# KiCad board sensorboard.kicad_pcb (continued)
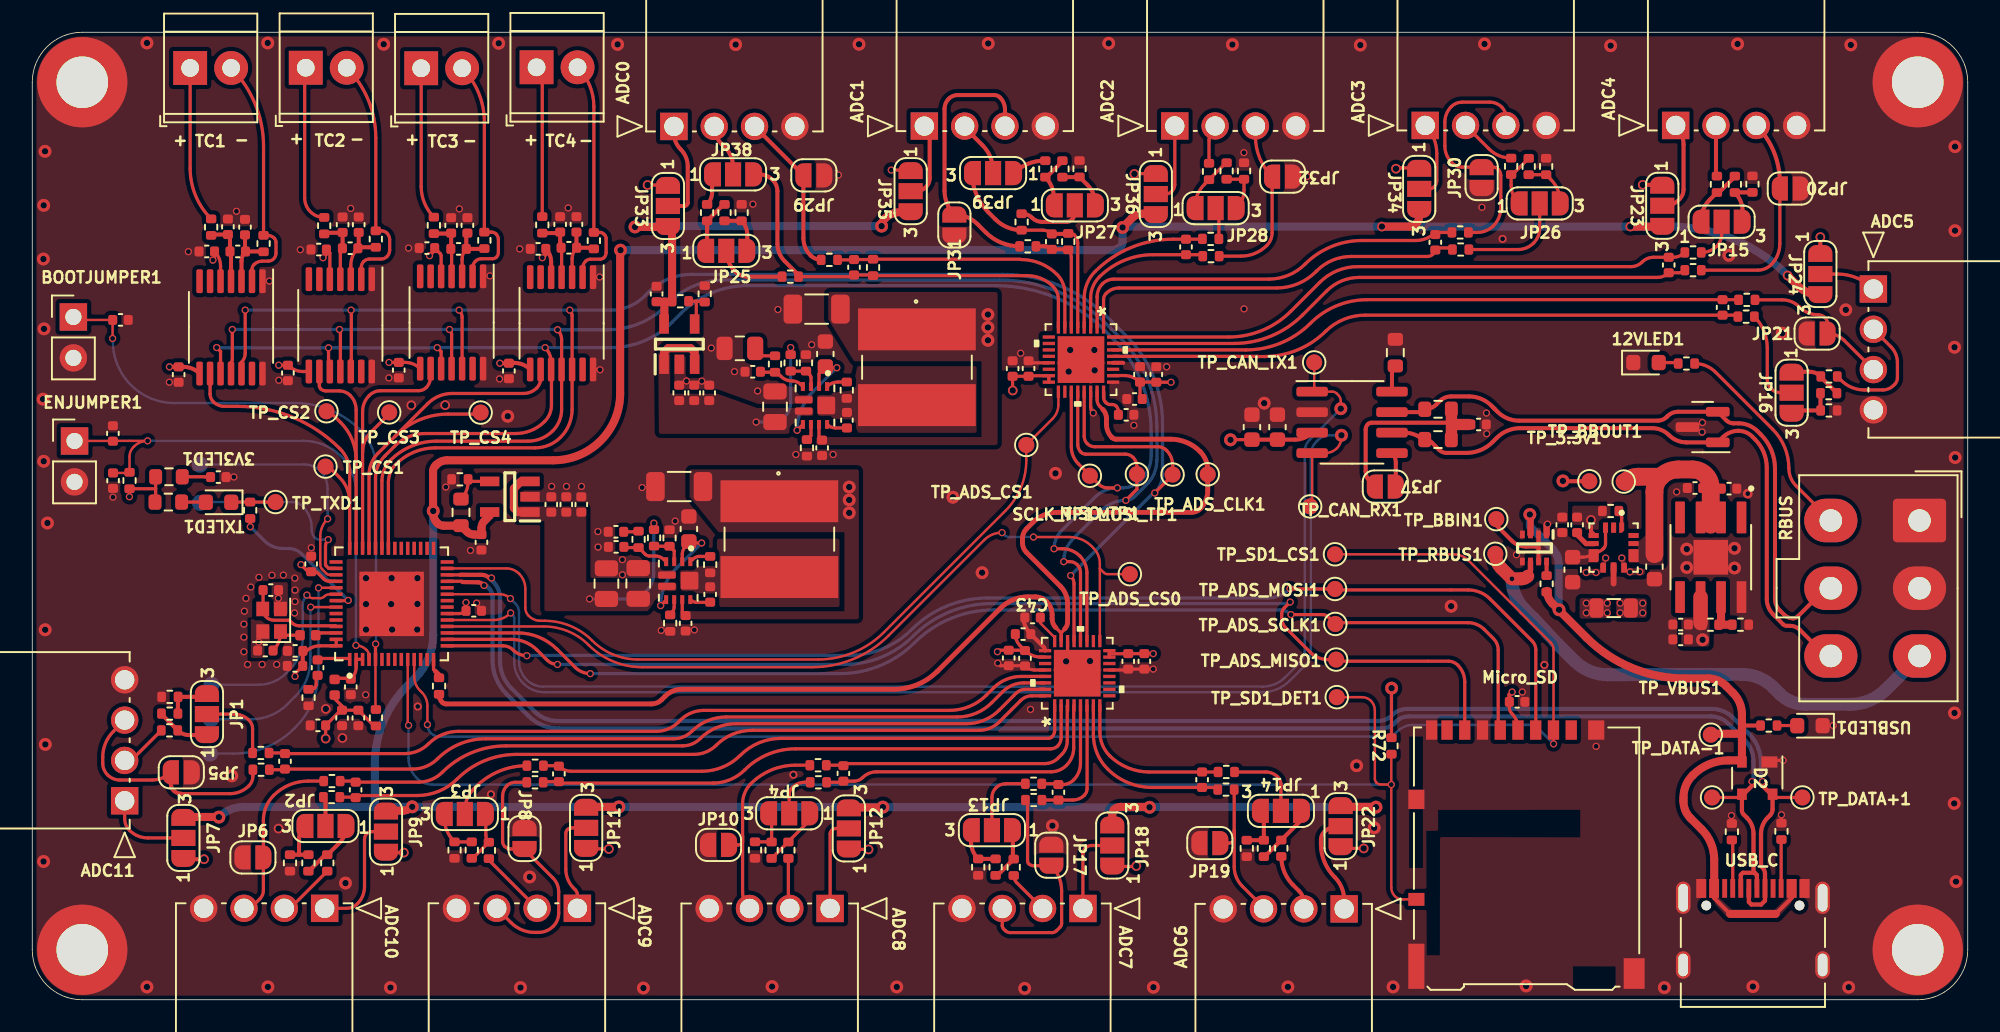
[diagram p0: board, top side]
## Routing (per net, layer and track width the routed paths; a pad name or vN(x,y) marks a point on that pad's centre or on a via; arc(x,y) is an arc through that point) (continued)
/ADS_CLK: length 74.7
  Top w0.2: 63.79,22.75 63.46,23.08 ; 63.79,22.75 64.01,23 ; 63.79,22.75 U9.23 ; 66.37,36.62 66.19,36.8 arc(66.06,36.98) 66.02,37.21 U10.23
  Top w0.299: R20.2 25.22,18.93 arc(25.27,18.67) 25.42,18.45 arc(25.53,18.37) 25.66,18.34 38.39,18.34 arc(38.73,18.41) 39.02,18.6 39.24,18.83 arc(39.72,19.14) 40.28,19.26 53.43,19.26 arc(54.88,19.54) 56.11,20.37 60.02,24.28 arc(60.81,24.8) 61.73,24.99 62.2,24.99 arc(62.56,24.91) 62.86,24.71 62.9,24.68 arc(63.14,24.31) 63.23,23.88 63.23,23.63 arc(63.29,23.33) 63.46,23.08 ; 64.01,23 arc(64.14,23.2) 64.19,23.43 64.19,24.57 arc(64.07,25.15) 63.75,25.64 61.64,27.75 arc(61.46,28.02) 61.39,28.34 61.39,28.61 arc(61.46,28.93) 61.65,29.21 62.03,29.6 arc(62.73,30.06) 63.55,30.23 71.88,30.23 arc(72.17,30.28) 72.41,30.45 arc(72.76,30.97) 72.88,31.58 TP_ADS_CLK1.1 72.88,32.85 arc(72.76,33.47) 72.4,34.01 arc(71.56,34.57) 70.57,34.77 67.18,34.77 arc(67.05,34.79) 66.94,34.87 66.94,34.87 arc(66.69,35.25) 66.6,35.69 66.6,36.06 arc(66.54,36.36) 66.37,36.62
/ADS_CS0: length 52
  Top w0.15: 66.19,26.74 U9.17 ; 66.19,26.74 66.45,26.48 arc(66.54,26.42) 66.66,26.4 TP_ADS_CS0.1 ; 66.19,26.74 66.19,27.06 arc(66.09,27.57) 65.79,28.01 65.67,28.14 arc(65.05,28.55) 64.32,28.7 v1(62.08,28.7) ; 25.72,23.15 31.71,23.15 arc(33.22,22.85) 34.5,22 arc(36.02,20.98) 37.81,20.63 48.36,20.63 arc(50.92,21.13) 53.09,22.58 59.02,28.51 arc(59.53,28.85) v1(60.13,28.97)
  Bottom w0.15: v1(60.13,28.97) 60.29,28.81 arc(60.41,28.73) 60.56,28.7 v1(62.08,28.7)
/ADS_CS1: length 49.7
  Top w0.15: 25.72,26.75 29.4,26.75 arc(29.82,26.67) 30.17,26.43 30.19,26.41 arc(30.47,25.99) 30.57,25.49 30.57,24.3 arc(30.62,24.04) 30.77,23.81 arc(31.12,23.58) 31.52,23.5 31.77,23.5 arc(33.36,23.18) 34.71,22.28 arc(36.01,21.41) 37.56,21.1 48.72,21.1 arc(50.93,21.54) 52.81,22.79 60.34,30.32 arc(61.29,31.76) 61.63,33.45 TP_ADS_CS1.1 63.26,36.03 arc(63.53,36.43) 63.62,36.91 U10.17
/analogueSPI/AIN0N: length 49.6
  Top w0.2: R77.2 15.57,14.27 arc(15.63,14.28) C63.2 23.58,14.31 arc(24.42,14.47) 25.13,14.95 arc(26.5,15.86) 28.12,16.19 39.77,16.19 arc(40.38,16.31) 40.9,16.66 arc(41.87,17.31) 43.02,17.54 57.35,17.54 arc(58.51,17.77) 59.49,18.42 60.17,19.11 arc(60.78,19.51) 61.48,19.65 U9.30
/analogueSPI/AIN0P: length 49.5
  Top w0.2: R73.2 15.57,15.31 arc(15.63,15.29) C63.1 23.1,15.27 arc(23.89,15.42) 24.57,15.88 arc(25.42,16.45) 26.43,16.65 38.68,16.65 arc(39.43,16.79) 40.06,17.22 40.19,17.34 arc(40.85,17.79) 41.64,17.95 56.87,17.95 arc(58.11,18.19) 59.16,18.89 59.61,19.35 arc(60.39,19.87) 61.31,20.05 U9.29
/analogueSPI/AIN1N: length 45.4
  Top w0.2: R78.2 19.89,13.56 arc(19.98,13.54) C64.2 23.95,13.5 arc(24.74,13.65) 25.42,14.11 arc(27.24,15.32) 29.38,15.75 40.32,15.75 arc(40.91,15.86) 41.41,16.2 arc(42.43,16.88) 43.64,17.12 57.92,17.12 arc(59.02,17.34) 59.95,17.96 61.01,19.02 arc(61.26,19.19) 61.57,19.25 U9.31
/analogueSPI/AIN1P: length 45.6
  Top w0.2: R74.2 19.98,12.57 arc(20.02,12.56) C64.1 arc(20.19,12.63) 20.36,12.67 23.86,12.67 arc(25.21,12.93) 26.35,13.7 arc(28.03,14.82) 30.02,15.22 41.02,15.22 arc(41.78,15.37) 42.42,15.8 arc(43.43,16.47) 44.63,16.71 58.71,16.71 arc(59.38,16.84) 59.95,17.23 61.28,18.56 arc(61.61,18.77) 61.99,18.85 U9.32
/analogueSPI/AIN2N: length 35.3
  Top w0.2: 42.3,13.43 32.87,13.43 arc(32.75,13.46) C65.2 31.78,13.53 arc(31.72,13.51) R79.2 ; U9.2 arc(63.79,18.26) 63.79,18.26 63.79,16.25 arc(63.74,15.97) 63.58,15.74 arc(63.38,15.61) 63.15,15.56 47.32,15.56 arc(45.62,15.22) 44.18,14.26 arc(43.26,13.65) 42.18,13.43
/analogueSPI/AIN2P: length 34.2
  Top w0.2: U9.1 63.39,16.71 arc(63.35,16.49) 63.22,16.3 arc(63.12,16.23) 63,16.21 46.43,16.21 arc(45.06,15.94) 43.9,15.16 arc(42.8,14.43) 41.51,14.17 33.41,14.17 arc(33,14.25) C65.1 arc(32.62,14.51) 32.58,14.52 R75.2
/analogueSPI/AIN3N: length 18
  Top w0.2: R80.2 50.22,14.55 arc(50.26,14.54) C66.2 arc(50.43,14.61) 50.6,14.65 62.78,14.65 arc(63.22,14.73) 63.6,14.99 63.82,15.21 arc(64.08,15.59) 64.17,16.05 64.17,18.21 arc(64.18,18.24) U9.3
/analogueSPI/AIN3P: length 19
  Top w0.2: R76.2 50.12,13.49 arc(50.21,13.5) C66.1 50.95,13.56 arc(51.24,13.61) 51.48,13.78 arc(51.88,14.04) 52.35,14.14 63.15,14.14 arc(63.68,14.24) 64.12,14.54 arc(64.45,15.03) 64.57,15.62 64.57,18.21 arc(64.58,18.24) U9.4
/analogueSPI/AIN4N: length 8.3
  Top w0.2: 65.4,18.26 65.4,13.1 arc(65.36,12.87) 65.23,12.69 arc(64.9,12.46) 64.51,12.39 C67.2 R85.2
/analogueSPI/AIN4P: length 6.8
  Top w0.2: R81.2 63.5,13.4 arc(63.56,13.38) C67.1 63.88,13.35 arc(64.25,13.42) 64.56,13.63 arc(64.88,14.1) 64.99,14.66 U9.5
/analogueSPI/AIN5N: length 11.4
  Top w0.2: U9.7 65.79,16.43 arc(66.02,15.28) 66.67,14.31 arc(67.94,13.46) 69.43,13.17 C68.2 73.19,13.17 arc(73.36,13.13) R86.2
/analogueSPI/AIN5P: length 10.3
  Top w0.2: U9.8 66.19,16.62 arc(66.35,15.81) 66.81,15.12 ; R82.2 C68.1 69.25,14.13 arc(67.92,14.39) 66.78,15.15
/analogueSPI/AIN6N: length 39.6
  Top w0.2: U10.30 75.25,40.3 arc(77.42,40.73) 79.25,41.96 arc(80.87,43.04) 82.77,43.42 C70.2 105.77,43.42 arc(105.78,43.41) R88.2
/analogueSPI/AIN6P: length 39.5
  Top w0.2: U10.29 75.98,39.9 75.99,39.89 76.38,39.89 arc(78.45,40.3) 80.21,41.47 ; 80.17,41.44 arc(81.3,42.19) 82.63,42.46 C70.1 105.53,42.46 arc(105.65,42.43) R84.2
/analogueSPI/AIN7N: length 36.9
  Top w0.2: U10.31 74.5,40.7 arc(76.81,41.16) 78.76,42.46 80.25,43.95 arc(81.18,44.58) 82.28,44.8 100.76,44.8 arc(101.14,44.87) C69.2 102.07,45.09 arc(102.28,45.13) R87.2
/analogueSPI/AIN7P: length 37.1
  Top w0.2: U10.32 74.18,41.1 arc(76.26,41.52) 78.03,42.7 79.82,44.49 arc(80.91,45.21) 82.18,45.47 99.12,45.47 arc(99.5,45.54) 99.82,45.76 arc(100.14,45.97) 100.52,46.05 C69.1 101.74,46.05 arc(102.13,46.12) R83.2
/analogueSPI/AIN8N: length 25.3
  Top w0.2: R94.2 86.99,47.59 arc(86.44,47.22) 85.78,47.09 82.44,47.09 arc(80.54,46.71) 78.92,45.63 arc(77.88,44.93) 76.66,44.69 67.05,44.69 arc(66.68,44.62) 66.36,44.41 arc(66.11,44.03) 66.02,43.58 U10.2
/analogueSPI/AIN8P: length 24.6
  Top w0.2: U10.1 66.42,43.42 arc(66.46,43.63) 66.58,43.81 arc(66.95,44.05) 67.39,44.14 77.15,44.14 arc(78.47,44.4) 79.58,45.15 79.65,45.21 arc(80.62,45.87) 81.78,46.1 86.5,46.1 arc(86.68,46.13) 86.84,46.24 arc(86.95,46.4) 86.99,46.6 86.99,46.63 87.81,46.63 arc(87.94,46.6) R90.2
/analogueSPI/AIN9N: length 10.1
  Top w0.2: U10.3 65.62,43.52 arc(65.76,44.23) 66.16,44.83 arc(67.69,45.85) 69.49,46.21 C74.2 72.35,46.21 arc(72.47,46.18) R96.2
/analogueSPI/AIN9P: length 10.8
  Top w0.2: U10.4 65.22,43.52 arc(65.4,44.41) 65.9,45.17 arc(68.12,46.65) 70.73,47.17 C74.1 72.5,47.17 arc(72.53,47.17) R92.2
/analogueSPI/AIN10N: length 6.9
  Top w0.2: U10.6 64.42,46.05 arc(64.37,46.29) R61.2
  Top w0.25: R95.2 62.75,46.73 arc(63,46.68) C73.2 64.16,46.54 arc(64.2,46.53) R61.2
/analogueSPI/AIN10P: length 14.5
  Top w0.2: R91.2 62.65,47.73 arc(62.96,47.67) C73.1 ; 64.42,47.53 R61.1 64.39,47.53 arc(64.51,47.5) 64.61,47.44 arc(64.77,47.2) 64.82,46.93 U10.5
  Top w0.25: C73.1 64.16,47.5 arc(64.2,47.5) R61.1 ; R91.2 arc(60.46,47.9) 59.72,48.4 59.27,48.84 arc(58.53,49.95) JP39.3
/analogueSPI/AIN11N: length 17.2
  Top w0.2: R93.2 50.9,45.89 arc(50.93,45.89) C71.2 52.11,45.91 R60.2 61.25,45.93 ; U10.7 64.02,43.82 arc(63.9,44.44) 63.54,44.98 arc(62.51,45.66) 61.29,45.91
/analogueSPI/AIN11P: length 26.4
  Top w0.2: U10.8 63.62,43.44 arc(63.53,43.87) 63.29,44.24 arc(62.55,44.73) 61.67,44.91 R60.1 52.09,44.95 C71.1 arc(50.84,44.87) 50.71,44.85 R89.2
  Top w0.25: JP38.3 45.07,51.19 arc(45.52,51.09) 45.91,50.84 arc(46.12,50.51) 46.2,50.14 46.2,46.89 arc(46.32,46.3) 46.65,45.81 47.44,45.02 arc(47.49,44.94) R89.2
/Boosts/FB_5V: length 2
  Top w0.2: R58.1 38.56,28.13 R59.2 39.8,27.84 IC3.3
/Boosts/FB_10V: length 2
  Top w0.2: IC4.3 48.28,38.59 arc(48.26,38.67) 48.22,38.73 R99.2 R65.1
/Boosts/LDO5.5V_IN: length 11.9
  Top w0.2: v1(38.54,29.56) 38.54,29.17 R58.2
  Top w0.5: IC1.3 30.3,32.15 29.86,31.71 29.86,30.5 30.11,30.25 IC1.1
  Bottom w0.2: v1(34.55,24.86) 34.55,24.86 37.06,24.86 arc(38.11,25.37) 38.53,26.45 38.53,29.55 v1(38.54,29.56)
/Boosts/LDO11V_IN: length 10.3
  Top w0.2: R65.2 v1(47.02,40.45)
  Top w0.5: IC2.1 39.17,40.16 39.42,40.41 40.82,40.41 41.07,40.16 IC2.3
  Bottom w0.2: v1(44.88,35.83) 45.83,35.83 arc(46.67,36.17) 47.02,37.02 v1(47.02,40.45)
/Boosts/SW_5V: length 1.3
  Top w0.2: R63.1 42.03,27.49 41.31,27.49 arc(41.11,27.43) 40.95,27.31 IC3.1
/Boosts/SW_10V: length 1.3
  Top w0.2: R103.1 49.96,38.31 arc(49.59,38.24) IC4.1
/BOOT: length 39.5
  Top w0.15: 21.28,21.11 21.28,18.06 arc(21.29,18.03) R7.2 ; v1(4.98,41.01) 4.98,42.14 arc(4.98,42.15) C12.1 3,42.16 arc(2.75,42.21) BOOTJUMPER1.1
  Top w0.2: U1.5 21.28,22.06 v1(21.29,22.07)
  Bottom w0.15: 5,40.99 v1(4.98,41.01) 5,40.99 ; 5,40.99 5,40.82 arc(6.12,38.12) 8.81,37.01 16.29,37.01 arc(18.48,36.57) 20.33,35.33 arc(21.06,34.24) 21.31,32.96 21.31,22.09 v1(21.29,22.07)
/CAN+: length 39.7
  Top w0.25: 90.54,36.77 90.68,36.63 ; 90.68,36.63 90.85,36.46 arc(91.46,36.06) 92.18,35.91 100.78,35.91 arc(101.08,35.97) 101.33,36.14 ; 90.68,36.63 90.47,36.84 arc(89.83,37.27) 89.08,37.42 87.97,37.42 arc(87.58,37.34) 87.25,37.12 87.05,36.92 arc(86.72,36.7) R70.1 ; 111.21,25.52 109.46,23.77 arc(109.33,23.68) 109.17,23.65 arc(108.87,23.71) 108.61,23.88 108.34,24.15 arc(108.13,24.47) 108.05,24.85 108.05,32.95 arc(107.82,34.08) 107.18,35.04 106.96,35.26 arc(106.42,35.62) 105.79,35.75 105.47,35.75 arc(105.24,35.79) 105.04,35.93 D3.2 102.03,36.47 arc(101.69,36.4) 101.4,36.2 ; U13.7 86.14,36.44 arc(86.25,36.46) 86.34,36.52
  Top w0.261: 111.21,25.52 J1.5 ; 101.33,36.14 101.4,36.2
/CAN-: length 39
  Top w0.25: 111.21,21.32 109.58,22.95 arc(109.32,23.12) 109,23.19 108.78,23.19 arc(108.66,23.21) 108.56,23.28 107.94,23.9 arc(107.64,24.34) 107.54,24.86 107.54,33 arc(107.35,33.95) 106.81,34.76 106.64,34.93 arc(106.25,35.19) 105.78,35.28 arc(105.26,35.18) 104.82,34.89 D3.1 102.56,34.57 arc(101.98,34.68) 101.48,35.01 arc(101,35.33) 100.43,35.45 92.25,35.45 arc(91.46,35.29) 90.8,34.85 90.53,34.58 arc(89.79,34.09) 88.92,33.91 87.69,33.91 arc(87.43,33.96) 87.22,34.11 86.77,34.56 arc(86.57,34.69) R71.2 ; 86.33,34.64 arc(85.74,35.03) 85.05,35.17
  Top w0.261: J1.6 111.21,21.32
/CAN-BUS/Vref: length 2.1
  Top w0.25: JP37.1 84.54,33.33 arc(84.48,33.64) U13.5
/CAN_RX: length 79.4
  Top w0.15: 25.72,23.55 28.61,23.55 arc(29.18,23.66) v1(29.66,23.99) ; v3(81.17,35.01) 81.17,34.88 arc(81.1,34.52) 80.89,34.21 arc(80.55,33.98) 80.16,33.9 U13.4 79.35,30.91 arc(79.32,30.75) 79.23,30.62
  Bottom w0.15: v3(81.17,35.01) 80.45,35.01 arc(80.04,34.92) 79.7,34.69 79.62,34.61 arc(79.36,34.23) 79.27,33.79 79.27,21.73 arc(79.16,21.15) 78.83,20.66 77.95,19.77 arc(77.17,19.25) 76.25,19.07 31.76,19.07 arc(31.06,19.21) 30.46,19.61 30.42,19.65 arc(30.02,20.25) 29.88,20.96 29.88,23.68 arc(29.86,23.76) 29.82,23.82 v1(29.66,23.99)
/CAN_TX: length 79.1
  Top w0.15: 25.72,25.15 28.99,25.15 arc(29.35,25.08) v1(29.64,24.88) ; TP_CAN_TX1.1 79.48,38.02 arc(79.45,37.85) U13.1 80.61,37.71 arc(80.75,37.68) 80.87,37.6 80.97,37.51 arc(81.09,37.33) 81.13,37.12 v3(81.13,36.66)
  Bottom w0.15: v3(81.13,36.66) 79.2,34.73 arc(78.98,34.39) 78.9,34 78.9,21.73 arc(78.81,21.26) 78.54,20.86 77.67,19.99 arc(77.04,19.57) 76.29,19.42 31.67,19.42 arc(31.12,19.53) 30.65,19.84 arc(30.3,20.37) 30.18,20.98 30.18,24.05 arc(30.13,24.32) 29.97,24.56 v1(29.64,24.88)
/CHIP_PU: length 34.1
  Top w0.15: U1.4 20.88,21.34 arc(20.84,21.52) 20.74,21.67 20.7,21.71 arc(20.41,21.91) v1(20.07,21.98) ; C6.1 5.93,32.67 arc(5.99,32.68) R3.2 6.03,33.69 arc(6.09,34) 6.27,34.27 6.31,34.31 arc(6.7,34.57) v1(7.15,34.66) 5.11,34.66 arc(5.07,34.67) 5.04,34.69 arc(5,34.66) 4.96,34.65 ENJUMPER1.1
  Top w0.2: 20.88,21.4 U1.4
  Bottom w0.15: v1(20.07,21.98) 20.06,21.98 20.06,31.51 arc(19.83,32.69) 19.16,33.69 arc(18.09,34.41) 16.82,34.66 v1(7.15,34.66)
/CS0: length 19.6
  Top w0.2: 19.68,27.99 19.68,30.87 ; 19.68,30.87 19.68,32.72 arc(19.52,33.51) 19.08,34.17 arc(16.17,36.12) 12.73,36.8 11.91,36.8 arc(11.54,36.87) 11.23,37.08 arc(11.08,37.31) 11.02,37.58 U4.9 ; 19.68,30.87 arc(19.52,31.7) 19.05,32.4 18.52,32.92 arc(18.36,33.03) TP_CS1.1
/CS1: length 16.3
  Top w0.2: 20.08,33.48 20.08,36.59 arc(19.98,37.07) 19.71,37.48 arc(19.4,37.69) 19.04,37.76 18.2,37.76 arc(18.03,37.79) 17.88,37.89 arc(17.82,37.98) 17.8,38.08 U2.9 ; 20.08,33.48 20.08,27.99 ; 20.08,33.48 arc(19.83,34.74) 19.12,35.8 18.58,36.34 arc(18.45,36.43) 18.29,36.46
/CS2: length 17.6
  Top w0.2: U3.9 24.7,38.64 arc(24.63,38.27) 24.42,37.96 arc(24.21,37.82) 23.96,37.77 21.61,37.77 arc(21.22,37.69) 20.89,37.47 arc(20.59,37.02) 20.48,36.48 20.48,33.96 ; 22.18,36.38 20.99,35.19 arc(20.61,34.63) 20.48,33.96 ; 20.48,33.96 20.48,27.99
/CS3: length 24.3
  Top w0.2: U5.9 31.52,38.52 arc(31.46,38.21) 31.28,37.94 arc(30.9,37.69) 30.46,37.6 26.04,37.6 arc(25.22,37.44) 24.52,36.97 22.52,34.96 ; 22.52,34.96 21.43,33.88 arc(21.02,33.27) 20.88,32.55 20.88,27.99 ; 22.52,34.96 arc(24.02,35.97) 25.79,36.32 27.54,36.32 arc(27.67,36.35) 27.79,36.43
/Data+: length 103.3
  Top w0.2: 25.73,26.35 26.52,26.35 26.53,26.36 ; 107.9,12.65 108,12.55 TP_DATA+1.1
  Top w0.261: J15.A6 106.43,6.06 106.59,5.91 107.19,5.91 107.43,6.15 J15.B6 107.43,7.82 arc(107.39,8.02) 107.27,8.2 arc(107.21,8.3) 107.18,8.42 107.18,10.29 arc(107.29,10.83) 107.6,11.3 107.74,11.44 arc(107.86,11.61) 107.9,11.82 107.9,12.65 107.18,13.36 107.18,13.44 v1(107.28,13.53) ; 26.53,26.36 27.7,26.35 27.87,26.35 arc(28.12,26.3) 28.34,26.16 v1(28.47,26.16)
  Bottom w0.261: v1(107.28,13.53) 107.18,13.63 107.18,14.69 arc(106.99,15.67) 106.43,16.5 105.43,17.5 arc(104.84,17.9) 104.14,18.04 85.26,18.04 arc(84.74,17.93) 84.29,17.63 arc(83.91,17.38) 83.45,17.29 32.57,17.29 arc(31.8,17.44) 31.15,17.87 29.7,19.32 arc(29.18,20.1) 29,21.02 29,24.93 arc(28.9,25.45) 28.6,25.89 28.47,26.02 v1(28.47,26.16)
/Data-: length 101.8
  Top w0.2: 106,12.65 105.9,12.55 TP_DATA-1.1 ; 26.67,25.91 26.63,25.95 25.73,25.95
  Top w0.261: 26.67,25.91 27.64,25.89 arc(27.8,25.86) 27.94,25.76 v1(28.01,25.69) ; 106.93,7.73 106.78,7.88 106.06,7.88 105.93,7.75 J15.B7 ; 106.93,7.73 J15.A7 ; 106.93,7.73 106.72,7.94 106.72,10.29 arc(106.61,10.83) 106.3,11.3 106.1,11.5 arc(106.03,11.61) 106,11.74 106,12.65 106.72,13.36 106.72,13.44 v1(106.62,13.53)
  Bottom w0.261: v1(28.01,25.69) 28.14,25.69 28.33,25.51 arc(28.48,25.28) 28.54,25.01 28.54,21.04 arc(28.76,19.92) 29.4,18.97 30.76,17.61 arc(31.63,17.03) 32.65,16.82 83.68,16.82 arc(84.1,16.91) 84.46,17.15 84.56,17.25 arc(84.92,17.49) 85.34,17.57 104.06,17.57 arc(104.65,17.45) 105.16,17.12 106.17,16.11 arc(106.58,15.5) 106.72,14.79 106.72,13.63 v1(106.62,13.53)
/MISO: length 120.6
  Top w0.2: v1(19.05,41.57) 19.1,41.51 19.1,38.97 arc(19.1,38.96) U2.11 ; v1(67.8,30.97) 68.49,31.66 68.49,33.06 arc(68.43,33.37) 68.25,33.64 arc(68.03,33.78) 67.77,33.84 65.31,33.84 arc(65.15,33.87) 65.02,33.96 arc(64.87,34.18) 64.82,34.44 U10.20 ; v1(63.95,27.17) 64.33,27.17 arc(64.58,27.12) 64.79,26.98 arc(64.94,26.76) 64.99,26.5 U9.20 ; U4.11 12.32,39.52 arc(12.38,39.61) 12.4,39.72 v1(12.4,41.57) ; U3.11 26,41.25 arc(25.97,41.42) v1(25.87,41.57) ; 21.68,27.99 21.68,32.18 arc(21.82,32.87) 22.21,33.46 22.22,33.47 arc(23.52,34.33) 25.05,34.64 30.72,34.64 arc(31.56,34.81) 32.27,35.28 arc(32.68,35.89) 32.82,36.61 U5.11 32.82,40.95 arc(32.76,41.27) v1(32.57,41.55)
  Bottom w0.2: v1(32.57,41.55) 35.67,41.55 arc(37.64,41.94) 39.31,43.06 39.51,43.26 arc(41.04,44.28) 42.84,44.64 59.97,44.64 arc(63.57,43.92) 66.62,41.88 67.44,41.06 arc(69.13,38.53) 69.73,35.54 69.73,33.46 arc(69.56,32.65) 69.11,31.96 68.34,31.19 arc(68.09,31.03) v1(67.8,30.97) arc(66.98,30.81) 66.29,30.34 64.54,28.6 arc(64.1,27.94) v1(63.95,27.17) ; v1(12.4,41.57) v1(19.05,41.57) v1(25.87,41.57) 32.55,41.57
/MOSI: length 125.5
  Top w0.2: 22.08,27.99 22.08,32.08 arc(22.2,32.69) 22.55,33.22 arc(23.67,33.96) 24.99,34.23 31.18,34.23 arc(32.03,34.39) 32.75,34.88 arc(33.28,35.67) 33.47,36.61 U5.12 33.47,42.42 arc(33.43,42.61) v1(33.33,42.77) ; U9.21 64.59,25.8 arc(64.54,26.07) v1(64.38,26.31) ; v1(13.2,42.77) 13.2,40.09 arc(13.14,39.79) 12.97,39.54 U4.12 ; U3.12 26.65,42.32 arc(26.6,42.56) v1(26.47,42.77) ; U10.21 65.22,34.94 arc(65.27,34.7) 65.41,34.49 arc(65.62,34.34) 65.87,34.3 69.79,34.3 arc(70.08,34.24) 70.32,34.08 arc(70.61,33.65) 70.71,33.14 70.71,32.54 v1(69.59,31.43) ; U2.12 19.75,39.66 19.78,39.69 19.78,42.73 arc(19.78,42.75) v1(19.77,42.77)
  Bottom w0.2: v1(13.2,42.77) v1(19.77,42.77) v1(26.47,42.77) v1(33.33,42.77) 35.87,42.77 arc(37,42.99) 37.96,43.64 38.22,43.89 arc(39.43,44.7) 40.86,44.99 60.16,44.99 arc(63.72,44.28) 66.73,42.26 67.85,41.15 arc(69.5,38.68) 70.08,35.77 70.08,32.59 arc(69.95,31.96) v1(69.59,31.43) 69.5,31.43 64.38,26.31 v1(64.38,26.31)
/Power/BBIN: length 8.4
  Top w0.2: U7.3 97.54,28.27 arc(97.51,28.13) 97.43,28 97.38,27.95 arc(97.15,27.8) 96.87,27.74 ; C32.1 96.14,27.45 arc(96.52,27.52) U7.6
  Top w0.25: 93.39,28.03 U6.2 ; 93.39,28.03 U6.7 ; 93.39,28.03 arc(93.3,28.08) 93.2,28.11 92.62,28.11 arc(92.13,28.2) 91.72,28.48 90.64,29.56
/Power/BBOUT: length 14.6
  Top w0.25: U8.2 U8.3
  Top w1.1: C34.1 100.58,31.49 arc(100.68,32) 100.96,32.43 ; 100.96,32.43 99.55,32.43 arc(99.13,32.35) 98.77,32.11 ; 100.96,32.43 arc(101.46,32.77) 102.05,32.88 102.93,32.88 arc(103.73,32.55) 104.07,31.75 104.07,29.46
/Power/BIAS: length 1.4
  Top w0.25: 95.76,28.86 95.78,28.88 C33.1
  Top w0.31: 96.82,28.28 96.34,28.28 95.76,28.86
/Power/FBIn: length 2.6
  Top w0.25: 104.7,23.41 R18.2
  Top w0.5: R18.2 R19.1 ; U8.7 104.7,23.41
/Power/LX1:
  vias: v1(96.35,26.5) v1(96.35,24.6) v1(96.35,24) v1(96.95,26.5) v1(97.55,27.4) v1(97.65,24.6) v1(97.65,24)
/Power/LX2:
  vias: v1(98.45,24.6) v1(98.45,24) v1(98.55,27.4) v1(99.06,26.54) v1(99.66,26.55) v1(99.85,24.6) v1(99.85,24)
/Power/SEL: length 1
  Top w0.2: U7.1 98.54,29.89 arc(98.5,30.12) R17.1
/SCLK: length 115
  Top w0.2: U4.10 11.67,40.21 v1(11.43,40.45) ; v1(18.37,40.43) 18.37,39.15 arc(18.39,39.05) U2.10 ; U10.19 64.42,34.3 arc(64.53,33.72) 64.86,33.24 66.13,31.97 arc(66.37,31.8) 66.66,31.75 v1(67.27,31.75) ; v1(63.35,27.97) 63.86,27.97 arc(64.45,27.85) 64.95,27.52 arc(65.28,27.03) 65.39,26.46 U9.19 ; U3.10 25.35,40.2 v1(25.11,40.44) ; 32.19,39.07 32.19,36.88 arc(32.08,36.33) 31.77,35.86 31.76,35.86 arc(30.94,35.31) 29.97,35.12 24.36,35.12 arc(23.33,34.91) 22.46,34.33 21.89,33.76 21.89,33.75 21.84,33.7 arc(21.43,33.08) 21.28,32.35 21.28,27.99 ; U5.10 32.17,39.55 arc(32.07,40.03) v1(31.8,40.44)
  Bottom w0.2: 25.1,40.43 v1(18.37,40.43) 11.45,40.43 ; v1(25.11,40.44) v1(31.8,40.44) 35.85,40.44 arc(37.92,40.85) 39.68,42.03 40.24,42.58 arc(42.12,43.84) 44.35,44.29 59.74,44.29 arc(63.42,43.55) 66.53,41.47 66.95,41.06 arc(68.74,38.37) 69.38,35.19 69.38,33.76 arc(69.21,32.92) 68.73,32.21 arc(68.21,31.87) 67.6,31.75 v1(67.27,31.75) arc(66.53,31.6) 65.9,31.18 63.81,29.09 arc(63.47,28.58) v1(63.35,27.97)
/SD1_CS: length 97.1
  Top w0.15: v1(24.5,17.07) 24.5,18.23 arc(24.41,18.68) 24.16,19.06 24.04,19.17 arc(23.77,19.57) 23.68,20.05 23.68,21.11 ; v1(94.32,15.87) 94.32,21.71 arc(94.27,21.95) 94.14,22.15 89.06,27.23 arc(88.62,27.52) 88.11,27.63 TP_SD1_CS1.1
  Bottom w0.15: v1(94.32,15.87) 93.14,17.05 85.59,17.05 arc(85.09,16.95) 84.67,16.66 arc(84.29,16.41) 83.84,16.32 25.25,16.32 arc(24.72,16.54) v1(24.5,17.07)
/SD1_DET: length 86.6
  Top w0.15: v1(84.26,13.35) 83.63,13.35 arc(83.47,13.38) 83.34,13.47 arc(83.27,13.58) 83.24,13.71 83.24,17.96 arc(83.18,18.27) 83,18.54 arc(82.75,18.71) 82.44,18.77 TP_SD1_DET1.1 ; v1(84.26,13.35) 84.26,6.96 arc(84.32,6.67) 84.48,6.43 arc(84.7,6.28) 84.96,6.22 J16.10 ; v1(84.26,13.35) 84.26,15.21 arc(84.26,15.22) R72.2 ; 23.28,21.11 23.28,17.14 arc(23.29,17.07) v1(23.33,17.02)
  Bottom w0.15: v1(23.33,17.02) 23.33,14.98 arc(23.46,14.31) 23.84,13.75 arc(24.28,13.45) 24.81,13.35 v1(84.26,13.35)
/SD_MISO: length 71.3
  Top w0.2: J16.7 88.82,19.71 arc(88.7,20.27) 88.38,20.76 arc(88.11,20.93) 87.8,21 80.84,21 arc(80.83,21) 80.82,21.01 ; 25.73,22.35 29.71,22.35 arc(30.56,22.18) 31.29,21.69 31.93,21.06 arc(32.22,20.86) v1(32.56,20.8) ; v1(77.99,24.67) 77.62,24.3 arc(77.51,24.12) 77.46,23.92 77.46,23.69 arc(77.53,23.35) 77.72,23.06 79.23,21.55 arc(79.74,21.21) 80.34,21.1 TP_ADS_MISO1.1
  Bottom w0.2: v1(77.99,24.67) 77.89,24.57 59.47,24.57 arc(56.84,24.04) 54.61,22.55 arc(52.67,21.25) 50.37,20.8 v1(32.56,20.8)
/SD_MOSI: length 75.4
  Top w0.2: TP_ADS_MOSI1.1 78,25.48 v1(77.98,25.5) ; 25.73,21.95 29.19,21.95 arc(29.53,21.88) 29.82,21.69 arc(30.2,21.43) v1(30.66,21.34) ; 80.75,25.49 arc(80.83,25.43) 80.92,25.42 89.02,25.42 arc(89.77,25.27) 90.4,24.85 93,22.24 arc(93.16,22) 93.22,21.71 93.22,16.74 arc(93.22,16.73) J16.3
  Bottom w0.2: v1(30.66,21.34) 30.68,21.36 50.64,21.36 arc(52.75,21.77) 54.53,22.97 arc(56.69,24.41) 59.23,24.92 76.58,24.92 arc(77.34,25.07) v1(77.98,25.5)
/SD_SCLK: length 73.2
  Top w0.2: v1(78.04,23.89) 79.99,23.89 arc(80.19,23.84) 80.36,23.73 TP_ADS_SCLK1.1 arc(80.88,23.36) 80.98,23.39 89.01,23.39 arc(89.56,23.28) 90.03,22.96 90.6,22.39 arc(90.81,22.07) 90.89,21.69 90.89,16.85 J16.5 ; 25.73,22.75 30.09,22.75 arc(31.42,22.49) 32.54,21.74 33.66,20.61 arc(34.09,20.33) v1(34.6,20.23)
  Bottom w0.2: v1(34.6,20.23) 50.07,20.23 arc(52.57,20.72) 54.7,22.14 arc(56.95,23.65) 59.6,24.18 77.34,24.18 arc(77.72,24.1) v1(78.04,23.89)